# KiCad board squishy-main.kicad_pcb (continued)
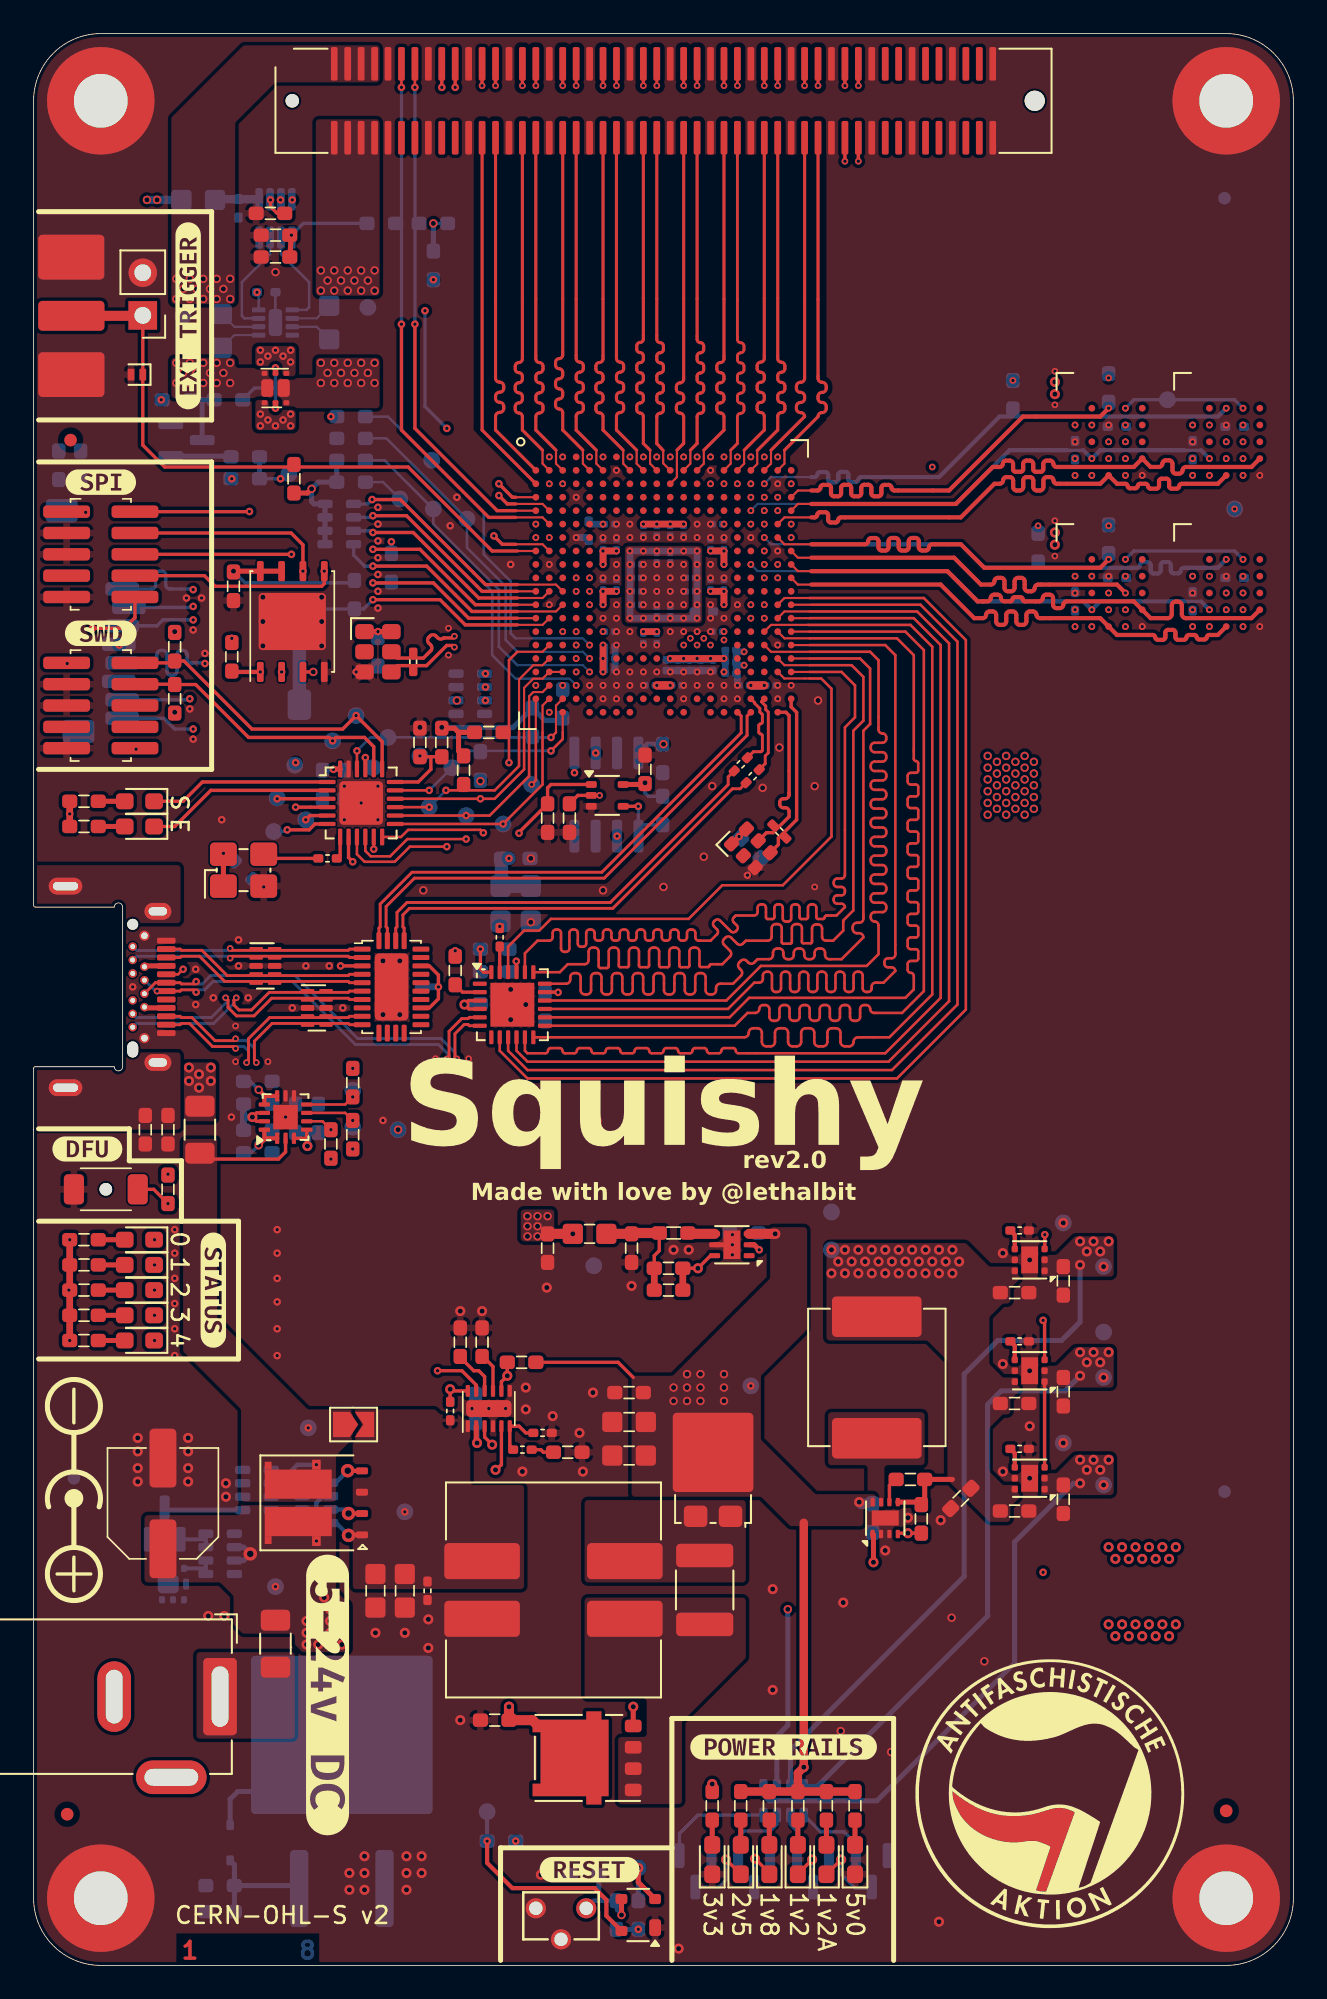
[diagram p0: board, top side]
## Routing (per net, layer and track width the routed paths; a pad name or vN(x,y) marks a point on that pad's centre or on a via; arc(x,y) is an arc through that point) (continued)
/RAM.~{CS0}: length 24.7
  Top w0.127: U1.D20 45.5,87.8 46.3,87.8
  Top w0.25: v3(64,92.7) 63.5,92.2 58.9,92.2 54.5,87.8 51.24,87.8 arc(51.12,87.85) 51.07,87.97 arc(51.02,88.09) 50.9,88.13 50.64,88.13 arc(50.52,88.09) 50.47,87.97 50.47,87.63 arc(50.42,87.51) 50.3,87.46 50.04,87.46 arc(49.92,87.51) 49.87,87.63 49.87,87.97 arc(49.82,88.09) 49.7,88.14 49.44,88.14 arc(49.32,88.09) 49.27,87.97 49.27,87.63 arc(49.22,87.51) 49.1,87.46 48.84,87.46 arc(48.72,87.51) 48.67,87.63 48.67,87.97 arc(48.62,88.09) 48.5,88.14 48.24,88.14 arc(48.12,88.09) 48.07,87.97 48.07,87.63 arc(48.02,87.51) 47.9,87.46 47.64,87.46 arc(47.52,87.51) 47.47,87.63 47.47,87.97 arc(47.42,88.09) 47.3,88.13 47.01,88.13 arc(46.89,88.09) 46.84,87.97 arc(46.79,87.85) 46.67,87.8 46.3,87.8
/RAM.~{CS1}: length 24
  Top w0.127: 46.3,84.6 44.7,84.6 U1.G19
  Top w0.25: v3(64,83.7) 63.5,83.2 56.6,83.2 55.2,84.6 53.48,84.6 arc(53.35,84.55) 53.3,84.42 arc(53.25,84.28) 53.12,84.23 52.88,84.23 arc(52.75,84.28) 52.7,84.42 52.7,84.79 arc(52.65,84.92) 52.51,84.97 52.29,84.97 arc(52.15,84.92) 52.1,84.79 52.1,84.41 arc(52.05,84.28) 51.91,84.23 51.69,84.23 arc(51.55,84.28) 51.5,84.41 51.5,84.79 arc(51.45,84.92) 51.31,84.97 51.09,84.97 arc(50.95,84.92) 50.9,84.79 50.9,84.41 arc(50.85,84.28) 50.71,84.23 50.49,84.23 arc(50.35,84.28) 50.3,84.41 50.3,84.78 arc(50.25,84.92) 50.12,84.97 49.87,84.97 arc(49.74,84.92) 49.68,84.78 arc(49.63,84.65) 49.5,84.6 46.3,84.6
/RAM.~{CS2}: length 31.1
  Bottom w0.127: v3(43.5,88.2) 43.9,88.6 46.3,88.6
  Bottom w0.25: 46.3,88.6 46.51,88.6 arc(46.61,88.64) 46.65,88.75 arc(46.7,88.85) 46.8,88.89 47.16,88.89 arc(47.26,88.85) 47.31,88.75 47.31,88.45 arc(47.35,88.34) 47.46,88.29 47.75,88.29 arc(47.86,88.34) 47.91,88.45 47.91,88.75 arc(47.95,88.86) 48.06,88.91 48.35,88.91 arc(48.46,88.86) 48.51,88.75 48.51,88.45 arc(48.55,88.35) 48.65,88.31 48.96,88.31 arc(49.06,88.35) 49.11,88.45 arc(49.15,88.56) 49.25,88.6 53.9,88.6 57.5,92.2 70.5,92.2 v3(71,92.7)
/RAM.~{CS3}: length 30.4
  Bottom w0.127: v3(43.5,85) 43.9,84.6 46.3,84.6
  Bottom w0.25: v3(71,83.7) 70.5,83.2 68.47,83.2 arc(68.35,83.15) 68.3,83.03 arc(68.25,82.92) 68.13,82.87 67.87,82.87 arc(67.75,82.92) 67.7,83.03 67.7,83.37 arc(67.65,83.49) 67.53,83.54 67.27,83.54 arc(67.15,83.49) 67.1,83.37 67.1,83.03 arc(67.05,82.91) 66.93,82.86 66.67,82.86 arc(66.55,82.91) 66.5,83.03 66.5,83.37 arc(66.45,83.48) 66.33,83.53 66.03,83.53 arc(65.92,83.48) 65.87,83.37 arc(65.82,83.25) 65.7,83.2 56.6,83.2 55.2,84.6 46.3,84.6
/RAM.~{RST}: length 49
  In2.Cu w0.25: v3(65,92.7) 64.5,92.2 57.5,92.2 54.5,89.2 v3(53.5,89.2) ; v3(72,83.7) 72.5,84.2 72.5,92.2 v3(72,92.7)
  In5.Cu w0.127: 46.3,88.6 44.1,88.6 43.9,88.4 43.9,88 43.7,87.8 43.1,87.8 v3(42.7,87.4)
  In5.Cu w0.25: 46.3,88.6 52.9,88.6 v3(53.5,89.2)
  Bottom w0.2: v3(65,83.7) 65.5,84.2 71.5,84.2 v3(72,83.7) ; v3(72,92.7) 71.5,93.2 65.5,93.2 v3(65,92.7)
/SDCARD.CLK: length 32.4
  Top w0.127: U1.M1 28.8,81
  Top w0.2: v2(20.2,84.3) 23,84.3 26.3,81 28.8,81
  In5.Cu w0.2: v2(20.2,84.3) 18,82.1 16.8,82.1 13.9,79.2 13.1,79.2 11.4,77.5 v2(10.2,77.5)
  Bottom w0.2: v2(10.2,77.5) 10.16,77.54 9.38,77.54 arc(9.21,77.61) 9.14,77.78 9.14,78.04 arc(9.07,78.21) 8.9,78.28 8.78,78.28 arc(8.61,78.21) 8.54,78.04 8.54,77.04 arc(8.47,76.87) 8.3,76.8 8.18,76.8 arc(8.01,76.87) 7.94,77.04 7.94,78.04 arc(7.87,78.21) 7.7,78.28 7.58,78.28 arc(7.41,78.21) 7.34,78.04 7.34,77.78 arc(7.27,77.61) 7.1,77.54 J6.5
/SDCARD.CMD: length 33.6
  Top w0.127: U1.L2 30.3,81.4 28.8,81.4
  Top w0.2: 28.8,81.4 26.5,81.4 22.6,85.3 v2(20.2,85.3)
  In5.Cu w0.2: v2(20.2,85.3) 19.05,85.3 arc(18.88,85.23) 18.81,85.06 18.81,84.28 arc(18.74,84.11) 18.57,84.04 18.45,84.04 arc(18.28,84.11) 18.21,84.28 18.21,85.06 arc(18.14,85.23) 17.97,85.3 15.2,85.3 14.5,84.6 14.5,83.2 11.4,80.1 v2(9.5,80.1)
  Bottom w0.2: v2(20.2,85.3) 20.1,85.4 R66.5 ; J6.3 7.34,79.74 7.7,80.1 v2(9.5,80.1)
/SDCARD.D0: length 35.4
  Top w0.127: 28.8,80.6 31.1,80.6 U1.M3
  Top w0.2: 28.8,80.6 26.1,80.6 23.4,83.3 v2(20.2,83.3)
  In5.Cu w0.2: v2(20.2,83.3) 17.9,81 17.9,76.7 16.6,75.4 v2(9.3,75.4)
  Bottom w0.2: J6.7 9.24,75.34 v2(9.3,75.4) ; R66.7 19.05,83.95 19.7,83.3 v2(20.2,83.3)
/SDCARD.D1: length 33.6
  Top w0.127: U1.N1 28.8,80.2
  Top w0.2: v2(20.2,82.3) 23.8,82.3 25.9,80.2 28.8,80.2
  In5.Cu w0.2: v2(20.2,82.3) 18.5,80.6 18.5,76.4 15.7,73.6 11.07,73.6 arc(10.95,73.65) 10.9,73.77 10.9,73.88 arc(10.85,74) 10.73,74.05 10.64,74.05 arc(10.52,74) 10.47,73.88 10.47,73.77 arc(10.42,73.65) 10.3,73.6 v2(9.5,73.6)
  Bottom w0.2: v2(9.5,73.6) 8.4,73.6 7.76,74.24 J6.8 ; v2(20.2,82.3) 21.25,82.3 R70.2
/SDCARD.D2: length 33.6
  Top w0.127: U1.L3 31.1,82.2 28.8,82.2
  Top w0.2: v2(20.15,87.26) 21.84,87.26 26.9,82.2 28.8,82.2
  In5.Cu w0.2: v2(20.15,87.26) 14.86,87.26 v2(9.5,81.9)
  Bottom w0.2: v2(9.5,81.9) 9.46,81.94 8.11,81.94 arc(7.94,82.01) 7.87,82.18 7.87,82.76 arc(7.8,82.93) 7.63,83 7.51,83 arc(7.34,82.93) 7.27,82.76 7.27,82.18 arc(7.2,82.01) 7.03,81.94 J6.1 ; v2(20.15,87.26) 19.89,87 R66.1
/SDCARD.D3: length 33.6
  Top w0.127: U1.L1 28.8,81.8
  Top w0.2: 28.8,81.8 26.7,81.8 22.2,86.3 v2(20.2,86.3)
  In5.Cu w0.2: v2(9.5,80.9) 11.3,80.9 13.7,83.3 13.7,84.8 15.2,86.3 15.37,86.3 arc(15.5,86.35) 15.55,86.48 arc(15.6,86.6) 15.73,86.65 15.95,86.65 arc(16.08,86.6) 16.13,86.48 16.13,86.12 arc(16.18,86) 16.31,85.94 16.52,85.94 arc(16.65,86) 16.7,86.12 16.7,86.48 arc(16.75,86.6) 16.88,86.66 17.09,86.66 arc(17.22,86.6) 17.27,86.48 17.27,86.12 arc(17.32,86) 17.45,85.94 17.66,85.94 arc(17.79,86) 17.84,86.12 17.84,86.48 arc(17.89,86.6) 18.02,86.66 18.23,86.66 arc(18.36,86.6) 18.41,86.48 18.41,86.12 arc(18.46,86) 18.59,85.95 18.8,85.95 arc(18.93,86) 18.98,86.12 arc(19.03,86.25) 19.16,86.3 v2(20.2,86.3)
  Bottom w0.2: R66.3 20.1,86.2 v2(20.2,86.3) ; J6.2 9.44,80.84 v2(9.5,80.9)
/SDCARD.DET: length 21.7
  Top w0.127: U1.N2 30.3,79.8 28.8,79.8
  Top w0.2: 28.8,79.8 25.7,79.8 24.2,81.3 v2(20.2,81.3)
  Bottom w0.2: J6.10 19.65,80.75 v2(20.2,81.3)
  Bottom w0.8: 15.93,74.95 J6.9 J6.10
/SU_ATTN: length 15.5
  Top w0.127: U1.W1 29.9,73.4
  Top w0.152: v3(29.65,70.3) 29.9,70.55 29.9,73.4 ; v2(26.78,67.42) 26.6,67.6 22.3,67.6 21.88,67.17 U11.12
  In5.Cu w0.152: v2(26.78,67.42) 29.55,70.2
  Bottom w0.152: 29.55,70.2 v3(29.65,70.3)
/SU_CLK: length 1.4
  Top w0.2: R29.2 18.25,66.1 U11.7
/SU_LED_G: length 10.8
  Top w0.2: U11.1 10.05,70.45 8.9,69.3 D16.1
/SU_LED_R: length 11.2
  Top w0.2: U11.2 10.55,69.95 8.4,67.8 D15.1
/SU_SWCLK: length 19
  Top w0.2: U11.19 20.75,72.85 v2(19.2,74.4) 18.4,73.6 13,73.6 8.95,77.65 R20.2 8.29,77.54 J4.2
/SU_SWDIO: length 17.2
  Top w0.2: U11.20 20.25,72.55 19.7,73.1 18,73.1 v2(17.8,72.9) 17.6,73.1 12.8,73.1 9.65,76.25 R19.2 8.38,76.27 J4.4
/SYSCLK+: length 12.1
  Top w0.2: v3(25.05,78.47) 24.95,78.57 24.59,78.57 23.39,77.37 21.67,77.37 X1.4
  In5.Cu w0.2: v3(32.3,79.4) 31.47,78.57 25.15,78.57 v3(25.05,78.47)
/SYSCLK-: length 12.1
  Top w0.2: v3(25.05,79.12) 24.95,79.03 24.41,79.03 arc(24.24,78.95) 24.07,79.03 23.95,79.15 arc(23.78,79.22) 23.61,79.15 23.52,79.06 arc(23.45,78.89) 23.52,78.72 23.64,78.6 arc(23.71,78.43) 23.64,78.26 23.21,77.82 21.67,77.82 X1.5
  In5.Cu w0.2: v3(25.05,79.12) 25.15,79.03 31.29,79.02 31.5,79.24 v3(31.5,79.4)
/UBIT_CS: length 16.2
  Top w0.152: U11.11 v2(20.25,66.45)
  Top w0.2: U24.1 30.8,70.3 30.6,70.1 R39.1 28.9,67.45 v2(28.9,67.4)
  In5.Cu w0.152: v2(20.25,66.45) 20.7,66 27.5,66 v2(28.9,67.4)
/USB Frontend/CC1: length 14.3
  Top w0.152: J3.A5 8.6,59 v2(8.9,59.3)
  Top w0.25: U10.11 13.74,51.79 ; 13.74,51.79 v4(13.4,52.12) ; 13.74,51.79 13.76,51.76 U10.10
  In5.Cu w0.2: v4(13.4,52.12) 12.15,52.12 11.53,52.75 11.52,53.9 10.97,54.45 10.03,54.45 8.9,55.57 v2(8.9,59.3)
  Bottom w0.2: v4(13.4,52.12) 12.9,52.62 C91.1
/USB Frontend/CC2: length 17.3
  Top w0.25: U10.14 13.74,49.16 ; 13.74,49.16 13.81,49.24 U10.1 ; 13.74,49.16 v4(13.4,48.82)
  In5.Cu w0.127: J3.B5 6.2,57.15 6.2,56.9 6.75,56.35 6.75,55.9 7.4,55.25
  In5.Cu w0.2: 7.4,55.25 8.7,55.25 9.88,54.07 10.85,54.07 11.17,53.75 11.17,49.25 11.6,48.82 v4(13.4,48.82)
  Bottom w0.2: 13.25,48.97 v4(13.4,48.82) 12.95,48.38 C49.1
/USB Frontend/D+: length 24.7
  Top w0.172: U9.6 25.94,55.94 25.87,56.01 25.64,56.01 25.08,55.46 25.08,54.08 v3(25.2,53.97) ; J3.B6 7.25,58.5 J3.A6 8.73,58.5 8.8,58.43 9.54,58.43 v2(9.68,58.56)
  Bottom w0.172: v3(25.2,53.97) 25.08,54.08 25.08,54.34 24.25,55.18 19.3,55.18 15.55,58.93 10.54,58.93 10.04,58.43 9.82,58.43 v2(9.68,58.56)
/USB Frontend/D-: length 24.2
  Top w0.172: v2(9.68,57.93) 9.54,58.07 8.8,58.07 8.73,58 J3.A7 ; U9.5 25.94,56.44 25.87,56.36 25.49,56.36 24.73,55.61 24.73,54.08 v3(24.62,53.97)
  Bottom w0.172: v3(24.62,53.97) 24.73,54.08 24.73,54.19 24.1,54.82 19.15,54.82 15.4,58.57 10.69,58.57 10.19,58.07 9.82,58.07 v2(9.68,57.93) ; J3.B7 7.25,58 v3(7.35,58)
/USB Frontend/PD_SCL: length 58.8
  Top w0.152: v3(19,50.3) 18.55,50.75 U10.6
  In5.Cu w0.127: v3(43.5,81) 46.2,81
  In5.Cu w0.152: 46.2,81 47,81 48.4,79.6 48.4,64.4 34.8,50.8 19.5,50.8 v3(19,50.3)
/USB Frontend/PD_SDA: length 58.6
  Top w0.152: U10.7 18.55,51.25 v3(19,51.7)
  In5.Cu w0.127: 46.2,80.6 43.1,80.6 v3(42.7,80.2)
  In5.Cu w0.152: v3(19,51.7) 19.5,51.2 34.7,51.2 48,64.5 48,79.5 46.9,80.6 46.2,80.6
/USB Frontend/PHY_BUS.CLK: length 62.8
  Top w0.127: U1.P18 43.9,79.8 46.1,79.8
  Top w0.152: U9.12 42.31,55.25 arc(42.5,55.33) 42.58,55.52 arc(42.66,55.71) 42.85,55.79 43.09,55.79 arc(43.28,55.71) 43.36,55.52 43.36,54.98 arc(43.44,54.79) 43.63,54.71 43.87,54.71 arc(44.06,54.79) 44.14,54.98 44.14,55.52 arc(44.22,55.71) 44.41,55.79 44.65,55.79 arc(44.84,55.71) 44.92,55.52 44.92,54.98 arc(45,54.79) 45.19,54.71 45.43,54.71 arc(45.62,54.79) 45.7,54.98 45.7,55.52 arc(45.78,55.71) 45.97,55.79 46.21,55.79 arc(46.4,55.71) 46.48,55.52 46.48,54.98 arc(46.56,54.79) 46.75,54.71 46.99,54.71 arc(47.18,54.79) 47.26,54.98 47.26,55.52 arc(47.34,55.71) 47.53,55.79 47.77,55.79 arc(47.96,55.71) 48.04,55.52 48.04,54.98 arc(48.12,54.79) 48.31,54.71 48.55,54.71 arc(48.74,54.79) 48.82,54.98 arc(48.9,55.17) 49.09,55.25 50.95,55.25 53.5,57.8 53.5,78.5 52.2,79.8 46.1,79.8
/USB Frontend/PHY_BUS.D0: length 60
  Top w0.127: U1.R18 43.9,78.2 46.2,78.2
  Top w0.152: 46.2,78.2 49.8,78.2 50.3,77.7 50.3,73.57 arc(50.37,73.41) 50.52,73.34 50.53,73.34 arc(50.69,73.28) 50.76,73.12 50.76,73.01 arc(50.69,72.85) 50.53,72.78 50.07,72.78 arc(49.91,72.72) 49.84,72.56 49.84,72.45 arc(49.91,72.29) 50.07,72.22 50.53,72.22 arc(50.69,72.16) 50.76,72 50.76,71.89 arc(50.69,71.73) 50.53,71.66 50.07,71.66 arc(49.91,71.6) 49.84,71.44 49.84,71.33 arc(49.91,71.17) 50.07,71.1 50.53,71.1 arc(50.69,71.04) 50.76,70.88 50.76,70.77 arc(50.69,70.61) 50.53,70.54 50.07,70.54 arc(49.91,70.48) 49.84,70.32 49.84,70.21 arc(49.91,70.05) 50.07,69.98 50.53,69.98 arc(50.69,69.92) 50.76,69.76 50.76,69.65 arc(50.69,69.49) 50.53,69.42 50.07,69.42 arc(49.91,69.36) 49.84,69.2 49.84,69.09 arc(49.91,68.93) 50.07,68.86 50.53,68.86 arc(50.69,68.8) 50.76,68.64 50.76,68.53 arc(50.69,68.37) 50.53,68.3 50.07,68.3 arc(49.91,68.24) 49.84,68.08 49.84,67.97 arc(49.91,67.81) 50.07,67.74 50.53,67.74 arc(50.69,67.68) 50.76,67.52 50.76,67.41 arc(50.69,67.25) 50.53,67.18 50.07,67.18 arc(49.91,67.12) 49.84,66.96 49.84,66.85 arc(49.91,66.69) 50.07,66.62 50.53,66.62 arc(50.69,66.56) 50.76,66.4 50.76,66.29 arc(50.69,66.13) 50.53,66.06 50.07,66.06 arc(49.91,66) 49.84,65.84 49.84,65.73 arc(49.91,65.57) 50.07,65.5 50.53,65.5 arc(50.69,65.44) 50.76,65.28 50.76,65.17 arc(50.69,65.01) 50.53,64.94 50.07,64.94 arc(49.91,64.88) 49.84,64.72 49.84,64.61 arc(49.91,64.45) 50.07,64.38 50.53,64.38 arc(50.69,64.32) 50.76,64.16 50.76,64.05 arc(50.69,63.89) 50.53,63.82 50.07,63.82 arc(49.91,63.76) 49.84,63.6 49.84,63.49 arc(49.91,63.33) 50.07,63.26 50.53,63.26 arc(50.69,63.2) 50.76,63.04 50.76,62.93 arc(50.69,62.77) 50.53,62.7 50.07,62.7 arc(49.91,62.64) 49.84,62.48 49.84,62.37 arc(49.91,62.21) 50.07,62.14 50.08,62.14 arc(50.23,62.08) 50.3,61.92 50.3,60.2 49.6,59.5 43.3,59.5 41.24,57.44 U9.16
/USB Frontend/PHY_BUS.D1: length 60
  Top w0.127: 46.2,78.6 U1.R20
  Top w0.152: 46.2,78.6 50.7,78.6 51.3,78 51.3,60.17 arc(51.24,60.02) 51.08,59.96 50.86,59.96 arc(50.71,59.89) 50.65,59.74 50.65,59.63 arc(50.71,59.48) 50.86,59.42 51.08,59.42 arc(51.24,59.35) 51.3,59.2 50.6,58.5 50.11,58.5 arc(49.96,58.44) 49.9,58.28 49.9,58.16 arc(49.83,58.01) 49.68,57.95 49.57,57.95 arc(49.42,58.01) 49.36,58.16 49.36,58.94 arc(49.29,59.09) 49.14,59.15 49.03,59.15 arc(48.88,59.09) 48.82,58.94 48.82,58.16 arc(48.75,58.01) 48.6,57.95 48.49,57.95 arc(48.34,58.01) 48.28,58.16 48.28,58.94 arc(48.21,59.09) 48.06,59.15 47.95,59.15 arc(47.8,59.09) 47.74,58.94 47.74,58.16 arc(47.67,58.01) 47.52,57.95 47.41,57.95 arc(47.26,58.01) 47.2,58.16 47.2,58.94 arc(47.13,59.09) 46.98,59.15 46.87,59.15 arc(46.72,59.09) 46.66,58.94 46.66,58.16 arc(46.59,58.01) 46.44,57.95 46.33,57.95 arc(46.18,58.01) 46.12,58.16 46.12,58.94 arc(46.05,59.09) 45.9,59.15 45.79,59.15 arc(45.64,59.09) 45.58,58.94 45.58,58.16 arc(45.51,58.01) 45.36,57.95 45.25,57.95 arc(45.1,58.01) 45.04,58.16 45.04,58.94 arc(44.97,59.09) 44.82,59.15 44.71,59.15 arc(44.56,59.09) 44.5,58.94 44.5,58.16 arc(44.43,58.01) 44.28,57.95 44.17,57.95 arc(44.02,58.01) 43.96,58.16 43.96,58.94 arc(43.89,59.09) 43.74,59.15 43.63,59.15 arc(43.48,59.09) 43.42,58.94 43.42,58.72 arc(43.35,58.56) 43.2,58.5 42.9,58.5 41.34,56.94 U9.15
/USB Frontend/PHY_BUS.D2: length 60
  Top w0.127: 46.2,79 44.7,79 U1.P19
  Top w0.152: 46.2,79 51.4,79 52.4,78 52.4,71.83 arc(52.44,71.73) 52.53,71.7 arc(52.62,71.66) 52.66,71.56 52.66,71.13 arc(52.62,71.03) 52.53,71 52.22,71 arc(52.09,70.94) 52.03,70.81 52.03,70.48 arc(52.09,70.35) 52.22,70.3 52.53,70.3 arc(52.63,70.26) 52.67,70.16 52.67,69.73 arc(52.63,69.63) 52.53,69.6 52.22,69.6 arc(52.09,69.54) 52.03,69.41 52.03,69.08 arc(52.09,68.95) 52.22,68.9 52.53,68.9 arc(52.63,68.86) 52.67,68.76 52.67,68.33 arc(52.63,68.23) 52.53,68.2 52.22,68.2 arc(52.09,68.14) 52.03,68.01 52.03,67.68 arc(52.09,67.55) 52.22,67.5 52.53,67.5 arc(52.63,67.46) 52.67,67.36 52.67,66.93 arc(52.63,66.83) 52.53,66.8 52.22,66.8 arc(52.09,66.74) 52.03,66.61 52.03,66.28 arc(52.09,66.15) 52.22,66.1 52.53,66.1 arc(52.63,66.06) 52.67,65.96 52.67,65.53 arc(52.63,65.43) 52.53,65.4 52.22,65.4 arc(52.09,65.34) 52.03,65.21 52.03,64.88 arc(52.09,64.75) 52.22,64.7 52.53,64.7 arc(52.63,64.66) 52.67,64.56 52.67,64.13 arc(52.63,64.03) 52.53,64 52.22,64 arc(52.09,63.94) 52.03,63.81 52.03,63.48 arc(52.09,63.35) 52.22,63.3 52.53,63.3 arc(52.63,63.26) 52.67,63.16 52.67,62.73 arc(52.63,62.63) 52.53,62.6 52.22,62.6 arc(52.09,62.54) 52.03,62.41 52.03,62.08 arc(52.09,61.95) 52.22,61.9 52.53,61.9 arc(52.63,61.86) 52.67,61.76 52.67,61.33 arc(52.63,61.23) 52.53,61.2 52.22,61.2 arc(52.09,61.14) 52.03,61.01 52.03,60.68 arc(52.09,60.55) 52.22,60.5 52.53,60.5 arc(52.63,60.46) 52.67,60.36 52.67,59.93 arc(52.63,59.83) 52.53,59.8 52.22,59.8 arc(52.09,59.74) 52.04,59.61 52.04,59.27 arc(52.09,59.14) 52.22,59.09 arc(52.35,59.03) 52.4,58.91 52.4,58.1 51.9,57.6 42.6,57.6 41.44,56.44 U9.14
/USB Frontend/PHY_BUS.D3: length 60
  Top w0.127: U1.P20 46.2,79.4
  Top w0.152: 46.2,79.4 51.9,79.4 53,78.3 53,58 51.7,56.7 50.04,56.7 arc(49.87,56.77) 49.8,56.93 arc(49.74,57.1) 49.57,57.17 49.44,57.17 arc(49.27,57.1) 49.2,56.93 49.2,56.46 arc(49.13,56.3) 48.97,56.23 48.84,56.23 arc(48.67,56.3) 48.6,56.46 48.6,56.94 arc(48.53,57.1) 48.37,57.17 48.24,57.17 arc(48.07,57.1) 48,56.94 48,56.46 arc(47.93,56.3) 47.77,56.23 47.64,56.23 arc(47.47,56.3) 47.4,56.46 47.4,56.94 arc(47.33,57.1) 47.17,57.17 47.04,57.17 arc(46.87,57.1) 46.8,56.94 46.8,56.46 arc(46.73,56.3) 46.57,56.23 46.44,56.23 arc(46.27,56.3) 46.2,56.46 46.2,56.94 arc(46.13,57.1) 45.97,57.17 45.84,57.17 arc(45.67,57.1) 45.6,56.94 45.6,56.46 arc(45.53,56.3) 45.37,56.23 45.24,56.23 arc(45.07,56.3) 45,56.46 45,56.94 arc(44.93,57.1) 44.77,57.17 44.64,57.17 arc(44.47,57.1) 44.4,56.94 44.4,56.46 arc(44.33,56.3) 44.17,56.23 44.04,56.23 arc(43.87,56.3) 43.8,56.46 43.8,56.93 arc(43.74,57.1) 43.57,57.17 43.43,57.17 arc(43.27,57.1) 43.2,56.93 arc(43.13,56.77) 42.96,56.7 42.5,56.7 41.74,55.94 U9.13
/USB Frontend/PHY_BUS.D4: length 60
  Top w0.127: U1.N20 46.2,80.2
  Top w0.152: 46.2,80.2 52.4,80.2 54,78.6 54,57.6 50.7,54.3 41.96,54.3 arc(41.85,54.35) 41.8,54.45 arc(41.76,54.56) 41.65,54.61 41.1,54.61 arc(40.99,54.56) 40.94,54.45 arc(40.9,54.35) 40.79,54.3 40.24,54.3 arc(40.13,54.35) 40.08,54.45 arc(40.04,54.56) 39.93,54.61 39.38,54.61 arc(39.27,54.56) 39.22,54.45 arc(39.18,54.35) 39.07,54.3 38.52,54.3 arc(38.41,54.35) 38.36,54.45 arc(38.32,54.56) 38.21,54.61 37.66,54.61 arc(37.55,54.56) 37.5,54.45 arc(37.46,54.35) 37.35,54.3 36.8,54.3 arc(36.69,54.35) 36.64,54.45 arc(36.6,54.56) 36.49,54.61 35.94,54.61 arc(35.83,54.56) 35.78,54.45 arc(35.74,54.35) 35.63,54.3 35.08,54.3 arc(34.97,54.35) 34.92,54.45 arc(34.88,54.56) 34.77,54.61 34.22,54.61 arc(34.11,54.56) 34.06,54.45 arc(34.02,54.35) 33.91,54.3 33.36,54.3 arc(33.25,54.35) 33.2,54.45 arc(33.16,54.56) 33.05,54.61 32.5,54.61 arc(32.39,54.56) 32.34,54.45 arc(32.3,54.35) 32.19,54.3 31.64,54.3 arc(31.53,54.35) 31.48,54.45 arc(31.44,54.56) 31.33,54.61 30.78,54.61 arc(30.67,54.56) 30.62,54.45 arc(30.58,54.35) 30.47,54.3 29.4,54.3 29.25,54.45 U9.11
/USB Frontend/PHY_BUS.D5: length 60.8
  Top w0.127: 46.2,80.6 44.7,80.6 U1.N19
  Top w0.152: U9.10 28.75,54.45 29.4,53.8 50.9,53.8 54.5,57.4 54.5,78.7 52.6,80.6 46.2,80.6
/USB Frontend/PHY_BUS.D6: length 62.1
  Top w0.127: U1.M20 46.3,81
  Top w0.152: U9.9 28.25,54.45 29.4,53.3 51.1,53.3 55,57.2 55,78.8 52.8,81 46.3,81
/USB Frontend/PHY_BUS.D7: length 65.3
  Top w0.127: U1.M19 44.7,81.4 46.2,81.4
  Top w0.152: U9.8 27.75,54.45 29.4,52.8 51.4,52.8 55.5,56.9 55.5,78.9 53,81.4 46.2,81.4
/USB Frontend/PHY_BUS.DIR: length 60
  Top w0.127: U1.T19 44.7,77.4 46.2,77.4
  Top w0.152: 46.2,77.4 48.7,77.4 49.4,76.7 49.4,74.1 48.8,73.5 48.8,62.8 48.2,62.2 48.2,61.6 47.6,61 47.18,61 arc(47.01,61.07) 46.94,61.24 46.94,61.73 arc(46.87,61.9) 46.7,61.97 46.58,61.97 arc(46.41,61.9) 46.34,61.73 46.34,60.92 arc(46.32,60.87) 46.26,60.85 45.82,60.85 arc(45.76,60.87) 45.74,60.92 45.74,61.75 arc(45.67,61.92) 45.5,61.99 45.38,61.99 arc(45.21,61.92) 45.14,61.75 45.14,60.91 arc(45.11,60.85) 45.05,60.82 44.63,60.82 arc(44.57,60.85) 44.54,60.91 44.54,61.75 arc(44.47,61.92) 44.3,61.99 44.18,61.99 arc(44.01,61.92) 43.94,61.75 43.94,61.24 arc(43.87,61.07) 43.7,61 42.4,61 42.22,60.82 arc(42.05,60.75) 41.88,60.82 41.52,61.18 arc(41.35,61.25) 41.18,61.18 41.1,61.1 arc(41.03,60.93) 41.1,60.76 41.46,60.4 arc(41.53,60.23) 41.46,60.06 41,59.6 40.32,59.6 arc(40.26,59.58) 40.24,59.52 arc(40.22,59.46) 40.16,59.43 39.72,59.43 arc(39.66,59.46) 39.64,59.52 39.64,60.35 arc(39.57,60.52) 39.4,60.59 39.28,60.59 arc(39.11,60.52) 39.04,60.35 39.04,59.51 arc(39.01,59.45) 38.95,59.42 38.53,59.42 arc(38.47,59.45) 38.44,59.51 38.44,60.35 arc(38.37,60.52) 38.2,60.59 38.08,60.59 arc(37.91,60.52) 37.84,60.35 37.84,59.51 arc(37.81,59.45) 37.75,59.42 37.33,59.42 arc(37.27,59.45) 37.24,59.51 37.24,60.35 arc(37.17,60.52) 37,60.59 36.88,60.59 arc(36.71,60.52) 36.64,60.35 36.64,59.51 arc(36.61,59.45) 36.55,59.42 36.13,59.42 arc(36.07,59.45) 36.04,59.51 36.04,60.35 arc(35.97,60.52) 35.8,60.59 35.68,60.59 arc(35.51,60.52) 35.44,60.35 35.44,59.51 arc(35.41,59.45) 35.35,59.42 34.93,59.42 arc(34.87,59.45) 34.84,59.51 34.84,60.35 arc(34.77,60.52) 34.6,60.59 34.48,60.59 arc(34.31,60.52) 34.24,60.35 34.24,59.49 arc(34.21,59.41) 34.13,59.37 33.75,59.37 arc(33.67,59.41) 33.64,59.49 33.64,60.35 arc(33.57,60.52) 33.4,60.59 33.28,60.59 arc(33.11,60.52) 33.04,60.35 33.04,59.84 arc(32.97,59.67) 32.8,59.6 31.8,59.6 31.33,59.13 U9.19
/USB Frontend/PHY_BUS.NXT: length 60
  Top w0.127: U1.T20 46.2,77.8
  Top w0.152: 46.2,77.8 49.2,77.8 49.8,77.2 49.8,73.9 49.4,73.5 49.4,62.32 arc(49.33,62.14) 49.15,62.07 49.01,62.07 arc(48.84,62) 48.77,61.82 48.77,61.7 arc(48.84,61.52) 49.01,61.45 49.15,61.45 arc(49.33,61.38) 49.4,61.2 48.1,59.9 47.37,59.9 arc(47.19,59.97) 47.12,60.15 47.12,60.29 arc(47.05,60.46) 46.87,60.53 46.75,60.53 arc(46.57,60.46) 46.5,60.29 46.5,60.15 arc(46.43,59.97) 46.25,59.9 46.13,59.9 arc(45.95,59.97) 45.88,60.15 45.88,60.29 arc(45.81,60.46) 45.63,60.53 45.51,60.53 arc(45.33,60.46) 45.26,60.29 45.26,60.15 arc(45.19,59.97) 45.01,59.9 44.89,59.9 arc(44.71,59.97) 44.64,60.15 44.64,60.29 arc(44.57,60.46) 44.39,60.53 44.27,60.53 arc(44.09,60.46) 44.02,60.29 44.02,60.15 arc(43.95,59.97) 43.77,59.9 43.1,59.9 42.9,59.7 arc(42.73,59.63) 42.55,59.7 42.45,59.8 arc(42.28,59.87) 42.1,59.8 42.01,59.71 arc(41.94,59.54) 42.01,59.36 42.11,59.26 arc(42.18,59.09) 42.11,58.91 41.64,58.44 40.88,58.44 arc(40.7,58.36) 40.63,58.19 40.63,58.05 arc(40.56,57.88) 40.38,57.8 40.26,57.8 arc(40.08,57.88) 40.01,58.05 40.01,58.82 arc(39.94,59) 39.76,59.07 39.64,59.07 arc(39.46,59) 39.39,58.82 39.39,58.05 arc(39.32,57.88) 39.14,57.8 39.02,57.8 arc(38.84,57.88) 38.77,58.05 38.77,58.82 arc(38.7,59) 38.52,59.07 38.4,59.07 arc(38.22,59) 38.15,58.82 38.15,58.05 arc(38.08,57.88) 37.9,57.8 37.78,57.8 arc(37.6,57.88) 37.53,58.05 37.53,58.82 arc(37.46,59) 37.28,59.07 37.16,59.07 arc(36.98,59) 36.91,58.82 36.91,58.05 arc(36.84,57.88) 36.66,57.8 36.54,57.8 arc(36.36,57.88) 36.29,58.05 36.29,58.82 arc(36.22,59) 36.04,59.07 35.92,59.07 arc(35.74,59) 35.67,58.82 35.67,58.05 arc(35.6,57.88) 35.42,57.8 35.3,57.8 arc(35.12,57.88) 35.05,58.05 35.05,58.82 arc(34.98,59) 34.8,59.07 34.68,59.07 arc(34.5,59) 34.43,58.82 34.43,58.05 arc(34.36,57.88) 34.18,57.8 34.06,57.8 arc(33.88,57.88) 33.81,58.05 33.81,58.82 arc(33.74,59) 33.56,59.07 33.44,59.07 arc(33.26,59) 33.19,58.82 33.19,58.05 arc(33.12,57.88) 32.94,57.8 32.82,57.8 arc(32.64,57.88) 32.57,58.05 32.57,58.82 arc(32.5,59) 32.32,59.07 32.2,59.07 arc(32.02,59) 31.95,58.82 31.95,58.69 arc(31.88,58.51) 31.7,58.44 U9.18
/USB Frontend/PHY_BUS.STP: length 60
  Top w0.127: U1.U20 46.2,77
  Top w0.152: 29.25,59.12 29.25,60.25 30,61 30.7,61 arc(30.84,61.06) 30.9,61.2 30.9,61.46 arc(30.96,61.61) 31.1,61.66 31.2,61.66 arc(31.34,61.61) 31.4,61.46 31.4,60.54 arc(31.46,60.39) 31.6,60.34 31.7,60.34 arc(31.84,60.39) 31.9,60.54 31.9,61.46 arc(31.96,61.61) 32.1,61.66 32.2,61.66 arc(32.34,61.61) 32.4,61.46 32.4,60.82 arc(32.45,60.69) 32.58,60.64 32.72,60.64 arc(32.85,60.69) 32.9,60.82 32.9,61.46 arc(32.96,61.61) 33.1,61.66 33.2,61.66 arc(33.34,61.61) 33.4,61.46 33.4,61.2 arc(33.46,61.06) 33.6,61 33.7,61 arc(33.84,61.06) 33.9,61.2 33.9,61.46 arc(33.96,61.61) 34.1,61.66 34.2,61.66 arc(34.34,61.61) 34.4,61.46 34.4,61.2 arc(34.46,61.06) 34.6,61 34.7,61 arc(34.84,61.06) 34.9,61.2 34.9,61.46 arc(34.96,61.61) 35.1,61.66 35.2,61.66 arc(35.34,61.61) 35.4,61.46 35.4,61.2 arc(35.46,61.06) 35.6,61 35.7,61 arc(35.84,61.06) 35.9,61.2 35.9,61.46 arc(35.96,61.61) 36.1,61.66 36.2,61.66 arc(36.34,61.61) 36.4,61.46 36.4,61.2 arc(36.46,61.06) 36.6,61 36.7,61 arc(36.84,61.06) 36.9,61.2 36.9,61.46 arc(36.96,61.61) 37.1,61.66 37.2,61.66 arc(37.34,61.61) 37.4,61.46 37.4,61.2 arc(37.46,61.06) 37.6,61 37.7,61 arc(37.84,61.06) 37.9,61.2 37.9,61.46 arc(37.96,61.61) 38.1,61.66 38.2,61.66 arc(38.34,61.61) 38.4,61.46 38.4,61.2 arc(38.46,61.06) 38.6,61 38.7,61 arc(38.84,61.06) 38.9,61.2 38.9,61.46 arc(38.96,61.61) 39.1,61.66 39.2,61.66 arc(39.34,61.61) 39.4,61.46 39.4,61.2 arc(39.46,61.06) 39.6,61 40.3,61 40.69,61.39 arc(40.75,61.53) 40.69,61.67 40.5,61.86 arc(40.44,62) 40.5,62.14 40.57,62.21 arc(40.71,62.27) 40.86,62.21 41.51,61.56 arc(41.65,61.5) 41.8,61.56 41.87,61.63 arc(41.92,61.77) 41.87,61.91 41.68,62.1 arc(41.62,62.24) 41.68,62.38 41.8,62.5 42.9,62.5 arc(43.04,62.56) 43.1,62.7 43.1,62.96 arc(43.16,63.11) 43.3,63.16 43.4,63.16 arc(43.54,63.11) 43.6,62.96 43.6,62.39 arc(43.63,62.32) 43.71,62.29 43.99,62.29 arc(44.07,62.32) 44.1,62.39 44.1,62.96 arc(44.16,63.11) 44.3,63.16 44.4,63.16 arc(44.54,63.11) 44.6,62.96 44.6,62.32 arc(44.65,62.19) 44.78,62.14 44.92,62.14 arc(45.05,62.19) 45.1,62.32 45.1,62.96 arc(45.16,63.11) 45.3,63.16 45.4,63.16 arc(45.54,63.11) 45.6,62.96 45.6,62.39 arc(45.63,62.32) 45.71,62.29 45.99,62.29 arc(46.07,62.32) 46.1,62.39 46.1,62.96 arc(46.16,63.11) 46.3,63.16 46.4,63.16 arc(46.54,63.11) 46.6,62.96 46.6,62.4 arc(46.63,62.32) 46.7,62.29 47,62.29 arc(47.07,62.32) 47.1,62.4 arc(47.13,62.47) 47.2,62.5 47.8,62.5 48.3,63 arc(48.24,63.14) 48.1,63.2 47.84,63.2 arc(47.69,63.26) 47.64,63.4 47.64,63.5 arc(47.69,63.64) 47.84,63.7 48.1,63.7 arc(48.24,63.76) 48.3,63.9 48.3,64 arc(48.24,64.14) 48.1,64.2 47.84,64.2 arc(47.69,64.26) 47.64,64.4 47.64,64.5 arc(47.69,64.64) 47.84,64.7 48.1,64.7 arc(48.24,64.76) 48.3,64.9 48.3,73.7 48.9,74.3 48.9,76.2 48.1,77 46.2,77
/USB Frontend/PHY_CLK: length 1.5
  Top w0.2: R30.2 27.75,59.12
/USB Frontend/PLUG_POL: length 49.8
  Top w0.2: U5.3 v2(18.28,59.5)
  In5.Cu w0.127: v3(43.5,80.2) 46.2,80.2
  In5.Cu w0.152: v2(18.28,59.5) 19.97,61.2 41.1,61.2 47.3,67.4 47.3,79.5 46.6,80.2 46.2,80.2
/USB Frontend/REFCLK+: length 10
  Top w0.2: X3.4 44.34,66.72 44.34,67.11 45.43,68.2 45.43,74.59 45.1,74.92 U1.W20
/USB Frontend/REFCLK-: length 10
  Top w0.2: U1.Y19 44.78,74.6 44.97,74.41 44.97,69.8 44.97,69.78 44.97,69.67 arc(44.91,69.52) 44.76,69.46 44.63,69.46 arc(44.48,69.39) 44.42,69.24 44.42,69.13 arc(44.48,68.98) 44.63,68.92 44.76,68.92 arc(44.91,68.85) 44.97,68.7 44.97,68.39 44.02,67.43 43.63,67.43 X3.5
